# KiCad board Decent400.kicad_pcb
title: Decent400 keyboard; date: 2023-12-30; rev: 2; company: Decent Consuting
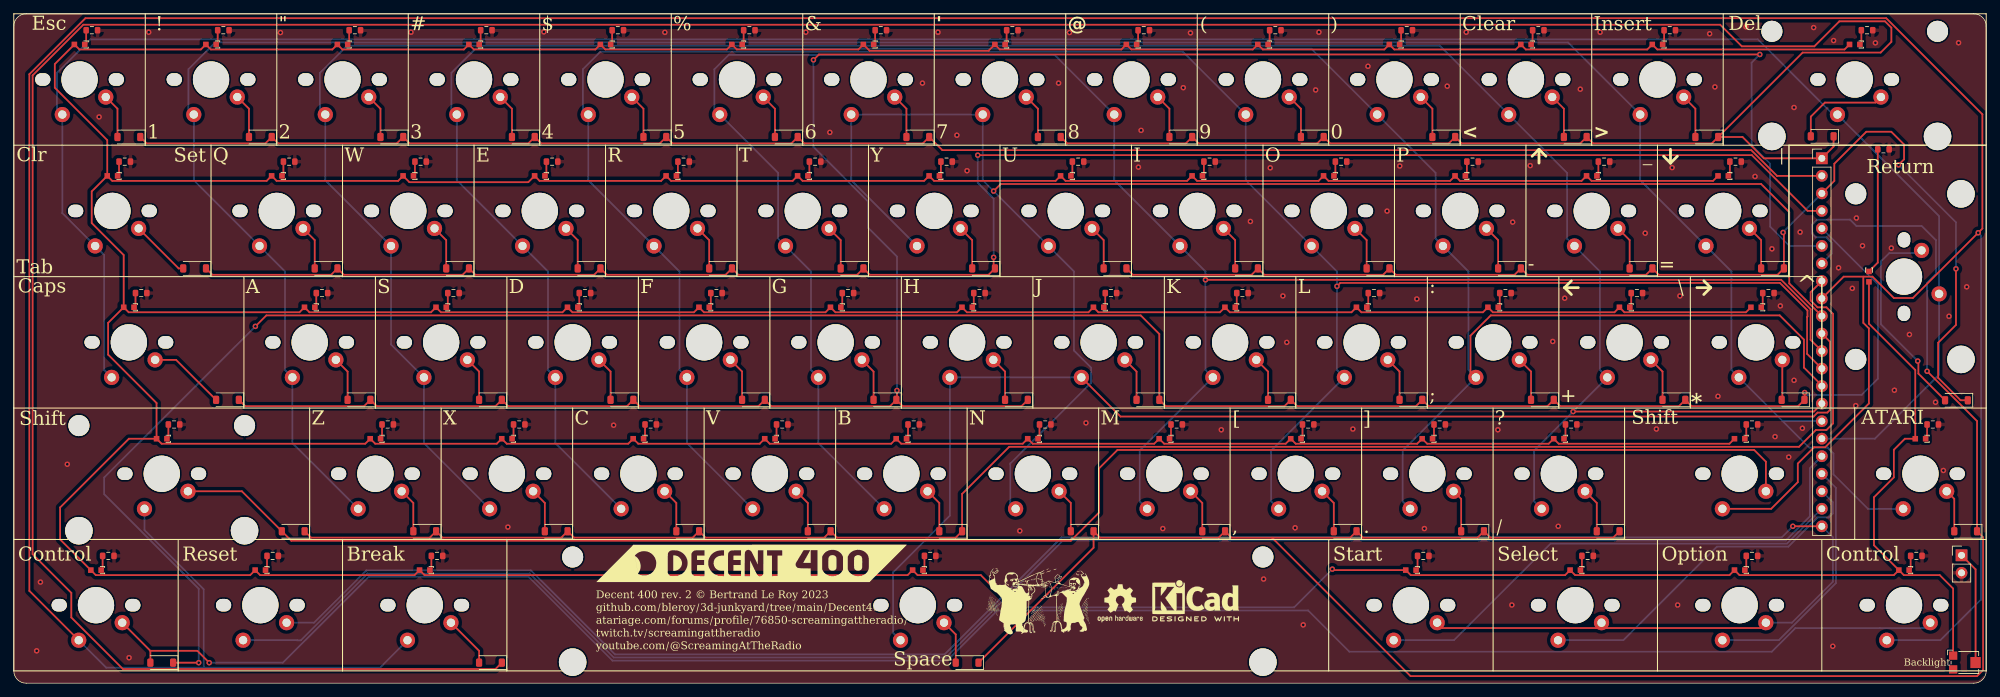
[diagram p0: board, top side]
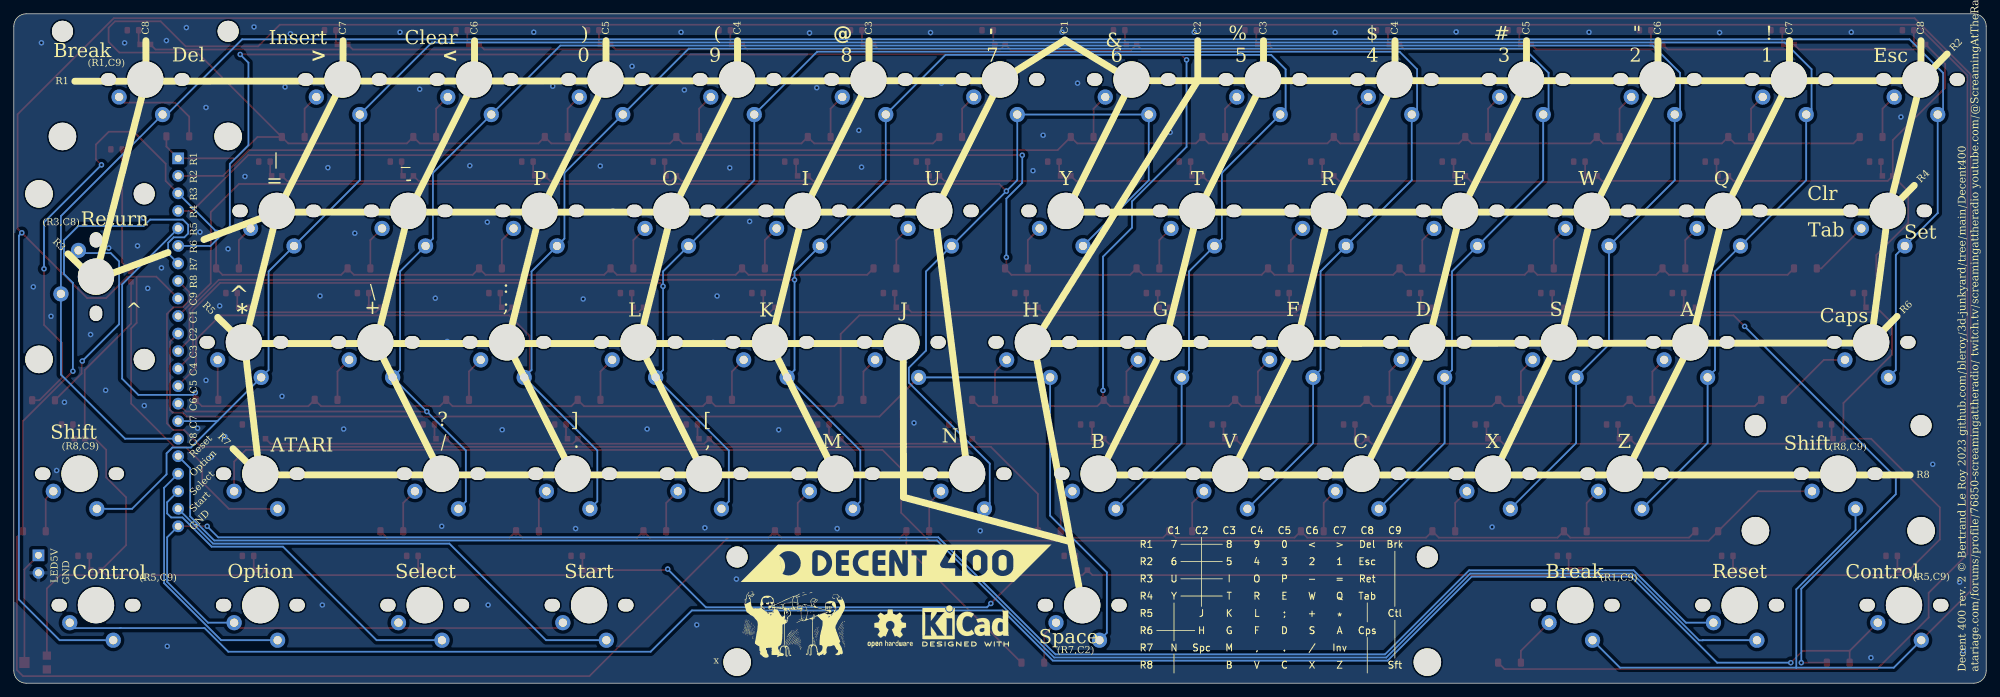
[diagram p1: board, bottom side, seen from below]

Outline 285.75 x 97.04 mm; copper layers: Top, Bottom. Coordinates in mm from the lower left corner of the outline.
Outline path: 0,95.25 arc(0.52,96.51) 1.79,97.04 283.96,97.04 arc(285.23,96.51) 285.75,95.25 285.75,1.79 arc(285.23,0.52) 283.96,0 1.79,0 arc(0.52,0.52) 0,1.79 0,95.25

## Placement (name value [footprint] x y rotation side)
D1  1N4148W  [D_SOD-123]  69.06 2.98 180 top
D2  1N4148W  [D_SOD-123]  21.43 2.98 180 top
D3  1N4148W  [D_SOD-123]  40.48 22.03 180 top
D4  1N4148W  [D_SOD-123]  150.02 79.18 180 top
D5  1N4148W  [D_SOD-123]  130.97 79.18 180 top
D6  1N4148W  [D_SOD-123]  159.54 60.13 180 top
D7  1N4148W  [D_SOD-123]  140.49 60.13 180 top
D8  1N4148W  [D_SOD-123]  154.78 22.03 180 top
D9  1N4148W  [D_SOD-123]  164.31 41.08 180 top
D10  1N4148W  [D_SOD-123]  145.26 41.08 180 top
D11  1N4148W  [D_SOD-123]  138.11 2.98 180 top
D12  1N4148W  [D_SOD-123]  169.07 79.18 180 top
D13  1N4148W  [D_SOD-123]  111.92 79.18 180 top
D14  1N4148W  [D_SOD-123]  178.59 60.13 180 top
D15  1N4148W  [D_SOD-123]  121.44 60.13 180 top
D16  1N4148W  [D_SOD-123]  183.36 41.08 180 top
D17  1N4148W  [D_SOD-123]  126.21 41.08 180 top
D18  1N4148W  [D_SOD-123]  173.83 22.03 180 top
D19  1N4148W  [D_SOD-123]  135.73 22.03 180 top
D20  1N4148W  [D_SOD-123]  188.12 79.18 180 top
D21  1N4148W  [D_SOD-123]  92.87 79.18 180 top
D22  1N4148W  [D_SOD-123]  197.64 60.13 180 top
D23  1N4148W  [D_SOD-123]  102.39 60.13 180 top
D24  1N4148W  [D_SOD-123]  202.41 41.08 180 top
D25  1N4148W  [D_SOD-123]  107.16 41.08 180 top
D26  1N4148W  [D_SOD-123]  192.88 22.03 180 top
D27  1N4148W  [D_SOD-123]  116.68 22.03 180 top
D28  1N4148W  [D_SOD-123]  207.17 79.18 180 top
D29  1N4148W  [D_SOD-123]  73.82 79.18 180 top
D30  1N4148W  [D_SOD-123]  216.69 60.13 180 top
D31  1N4148W  [D_SOD-123]  83.34 60.13 180 top
D32  1N4148W  [D_SOD-123]  221.46 41.08 180 top
D33  1N4148W  [D_SOD-123]  88.11 41.08 180 top
D34  1N4148W  [D_SOD-123]  211.34 22.03 180 top
D35  1N4148W  [D_SOD-123]  97.63 22.03 180 top
D36  1N4148W  [D_SOD-123]  226.22 79.18 180 top
D37  1N4148W  [D_SOD-123]  54.77 79.18 180 top
D38  1N4148W  [D_SOD-123]  235.74 60.13 180 top
D39  1N4148W  [D_SOD-123]  64.29 60.13 180 top
D40  1N4148W  [D_SOD-123]  240.51 41.08 180 top
D41  1N4148W  [D_SOD-123]  69.06 41.08 180 top
D42  1N4148W  [D_SOD-123]  230.98 22.03 180 top
D43  1N4148W  [D_SOD-123]  78.58 22.03 180 top
D44  1N4148W  [D_SOD-123]  245.27 79.18 180 top
D45  1N4148W  [D_SOD-123]  35.72 79.18 180 top
D46  1N4148W  [D_SOD-123]  254.79 60.13 180 top
D47  1N4148W  [D_SOD-123]  45.24 60.13 180 top
D48  1N4148W  [D_SOD-123]  257.77 41.08 180 top
D49  1N4148W  [D_SOD-123]  50.01 41.08 180 top
D50  1N4148W  [D_SOD-123]  282.77 22.03 180 top
D51  1N4148W  [D_SOD-123]  59.53 22.03 180 top
D52  1N4148W  [D_SOD-123]  261.99 79.28 180 top
D53  1N4148W  [D_SOD-123]  16.67 79.18 180 top
D54  1N4148W  [D_SOD-123]  281.44 41.02 180 top
D55  1N4148W  [D_SOD-123]  26.19 60.13 180 top
D56  1N4148W  [D_SOD-123]  30.96 41.08 180 top
G***  -  [LOGO]  106.9 17.39 0 top
G***#2  -  [LOGO]  148.34 11.88 0 top
G***#3  -  [LOGO]  157.92 17.4 180 bottom
G***#4  -  [LOGO]  172.79 8.49 180 bottom
J1  Conn_01x22  [PinHeader_1x22_P2.54mm_Vertical]  261.94 76.09 0 top
J2  Conn_01x02_Pin  [PinHeader_1x02_P2.54mm_Vertical]  282.18 18.54 0 top
R1  100  [R_0603_1608Metric]  61.32 18.45 0 top
R2  100  [R_0603_1608Metric]  13.69 18.45 0 top
R3  100  [R_0603_1608Metric]  275.63 18.45 0 top
R4  100  [R_0603_1608Metric]  23.22 37.5 0 top
R5  100  [R_0603_1608Metric]  251.82 37.5 0 top
R6  100  [R_0603_1608Metric]  144.66 94.65 0 top
R7  100  [R_0603_1608Metric]  125.61 94.65 0 top
R8  100  [R_0603_1608Metric]  154.19 75.6 0 top
R9  100  [R_0603_1608Metric]  135.14 75.6 0 top
R10  100  [R_0603_1608Metric]  149.42 37.5 0 top
R11  100  [R_0603_1608Metric]  158.95 56.55 0 top
R12  100  [R_0603_1608Metric]  139.9 56.55 0 top
R13  100  [R_0603_1608Metric]  132.75 18.45 0 top
R14  100  [R_0603_1608Metric]  163.71 94.65 0 top
R15  100  [R_0603_1608Metric]  106.56 94.65 0 top
R16  100  [R_0603_1608Metric]  173.24 75.6 0 top
R17  100  [R_0603_1608Metric]  116.09 75.6 0 top
R18  100  [R_0603_1608Metric]  178 56.55 0 top
R19  100  [R_0603_1608Metric]  120.85 56.55 0 top
R20  100  [R_0603_1608Metric]  168.47 37.5 0 top
R21  100  [R_0603_1608Metric]  130.37 37.5 0 top
R22  100  [R_0603_1608Metric]  182.76 94.65 0 top
R23  100  [R_0603_1608Metric]  87.51 94.65 0 top
R24  100  [R_0603_1608Metric]  192.29 75.6 0 top
R25  100  [R_0603_1608Metric]  97.04 75.6 0 top
R26  100  [R_0603_1608Metric]  197.05 56.55 0 top
R27  100  [R_0603_1608Metric]  101.8 56.55 0 top
R28  100  [R_0603_1608Metric]  187.52 37.5 0 top
R29  100  [R_0603_1608Metric]  111.32 37.5 0 top
R30  100  [R_0603_1608Metric]  201.81 94.65 0 top
R31  100  [R_0603_1608Metric]  68.46 94.65 0 top
R32  100  [R_0603_1608Metric]  211.34 75.6 0 top
R33  100  [R_0603_1608Metric]  77.99 75.6 0 top
R34  100  [R_0603_1608Metric]  216.1 56.55 0 top
R35  100  [R_0603_1608Metric]  82.75 56.55 0 top
R36  100  [R_0603_1608Metric]  206.57 37.5 0 top
R37  100  [R_0603_1608Metric]  92.27 37.5 0 top
R38  100  [R_0603_1608Metric]  220.86 94.65 0 top
R39  100  [R_0603_1608Metric]  49.41 94.65 0 top
R40  100  [R_0603_1608Metric]  230.39 75.6 0 top
R41  100  [R_0603_1608Metric]  58.94 75.6 0 top
R42  100  [R_0603_1608Metric]  235.15 56.55 0 top
R43  100  [R_0603_1608Metric]  63.7 56.55 0 top
R44  100  [R_0603_1608Metric]  225.62 37.5 0 top
R45  100  [R_0603_1608Metric]  73.22 37.5 0 top
R46  100  [R_0603_1608Metric]  239.91 94.65 0 top
R47  100  [R_0603_1608Metric]  30.36 94.65 0 top
R48  100  [R_0603_1608Metric]  249.44 75.6 0 top
R49  100  [R_0603_1608Metric]  39.89 75.6 0 top
R50  100  [R_0603_1608Metric]  254.2 56.55 0 top
R51  100  [R_0603_1608Metric]  44.65 56.55 0 top
R52  100  [R_0603_1608Metric]  278.01 37.5 0 top
R53  100  [R_0603_1608Metric]  54.17 37.5 0 top
R54  100  [R_0603_1608Metric]  268.49 94.65 0 top
R55  100  [R_0603_1608Metric]  11.31 94.65 0 top
R56  100  [R_0603_1608Metric]  270.87 77.39 0 top
R57  100  [R_0603_1608Metric]  16.07 75.6 0 top
R58  100  [R_0603_1608Metric]  18.45 56.55 0 top
R61  100  [R_0603_1608Metric]  204.19 18.45 0 top
R62  100  [R_0603_1608Metric]  228 18.45 0 top
R63  100  [R_0603_1608Metric]  251.82 18.45 0 top
R64  100  [R_0603_1608Metric]  37.5 18.45 0 top
REF**  -  [Arrow]  225.66 57.34 180 top
REF**#2  -  [Arrow]  244.84 57.34 0 top
REF**#3  -  [Arrow]  240.01 76.39 270 top
REF**#4  -  [OSHW-Logo2_7.3x6mm_SilkScreen]  160.29 11.59 0 top
REF**#5  -  [Arrow]  220.96 76.39 90 top
REF**#6  -  [KiCad-Logo2_5mm_SilkScreen]  171.21 11.97 0 top
REF**#7  -  [OSHW-Logo2_7.3x6mm_SilkScreen]  158.78 7.94 180 bottom
REF**#8  -  [Atari400_Matrix]  103.45 11.64 180 bottom
REF**#9  -  [KiCad-Logo2_5mm_SilkScreen]  147.86 8.32 180 bottom
RV1  R_Potentiometer  [Potentiometer_Bourns_TC33X_Vertical]  282.76 3 0 top
SW0  0  [MX-1-00U-LED]  200.02 92.59 0 top
SW1  1  [MX-1-00U-LED]  28.57 92.59 0 top
SW2  2  [MX-1-00U-LED]  47.62 92.59 0 top
SW3  3  [MX-1-00U-LED]  66.67 92.59 0 top
SW4  4  [MX-1-00U-LED]  85.72 92.59 0 top
SW5  5  [MX-1-00U-LED]  104.77 92.59 0 top
SW6  6  [MX-1-00U-LED]  123.82 92.59 0 top
SW7  7  [MX-1-00U-LED]  142.87 92.59 0 top
SW8  8  [MX-1-00U-LED]  161.92 92.59 0 top
SW9  9  [MX-1-00U-LED]  180.97 92.59 0 top
SWA1  A  [MX-1-00U-LED]  42.86 54.49 0 top
SWB1  B  [MX-1-00U-LED]  128.59 35.44 0 top
SWBrk1  Break  [MX-1-25U-LED]  59.53 16.39 0 top
SWC1  C  [MX-1-00U-LED]  90.49 35.44 0 top
SWComma1  Comma  [MX-1-00U-LED]  185.74 35.44 0 top
SWCps1  Caps  [MX-1-75U-LED]  16.67 54.49 0 top
SWCtl1  Control  [MX-1-25U-LED]  11.91 16.39 0 top
SWCtl2  Control  [MX-1-25U-LED]  273.84 16.39 0 top
SWD1  D  [MX-1-00U-LED]  80.96 54.49 0 top
SWDash1  Dash  [MX-1-00U-LED]  228.6 73.54 0 top
SWDel1  Del  [MX-2-00U-LED]  266.7 92.59 0 top
SWE1  E  [MX-1-00U-LED]  76.2 73.54 0 top
SWEqual1  Equal  [MX-1-00U-LED]  247.65 73.54 0 top
SWEsc1  Esc  [MX-1-00U-LED]  9.52 92.59 0 top
SWF1  F  [MX-1-00U-LED]  100.01 54.49 0 top
SWG1  G  [MX-1-00U-LED]  119.06 54.49 0 top
SWGT1  GreaterThan  [MX-1-00U-LED]  238.12 92.59 0 top
SWH1  H  [MX-1-00U-LED]  138.11 54.49 0 top
SWI1  I  [MX-1-00U-LED]  171.45 73.54 0 top
SWInv1  Atari  [MX-1-00U-LED]  276.22 35.44 0 top
SWJ1  J  [MX-1-00U-LED]  157.16 54.49 0 top
SWK1  K  [MX-1-00U-LED]  176.21 54.49 0 top
SWL1  L  [MX-1-00U-LED]  195.26 54.49 0 top
SWLeftSft1  Shift  [MX-2-25U-LED]  21.43 35.44 0 top
SWLT1  LessThan  [MX-1-00U-LED]  219.07 92.59 0 top
SWM1  M  [MX-1-00U-LED]  166.69 35.44 0 top
SWN1  N  [MX-1-00U-LED]  147.64 35.44 0 top
SWO1  O  [MX-1-00U-LED]  190.5 73.54 0 top
SWOption1  Option  [MX-1-25U-LED]  250.03 16.39 0 top
SWP1  P  [MX-1-00U-LED]  209.55 73.54 0 top
SWPeriod1  Period  [MX-1-00U-LED]  204.79 35.44 0 top
SWPlus1  Plus  [MX-1-00U-LED]  233.36 54.49 0 top
SWQ1  Q  [MX-1-00U-LED]  38.1 73.54 0 top
SWR1  R  [MX-1-00U-LED]  95.25 73.54 0 top
SWReset1  Reset  [MX-1-25U-LED]  35.72 16.39 0 top
SWRet1  Return  [MX-ISO-RETURN]  268.76 58.94 0 top
SWRightSft1  Shift  [MX-1-75U-LED]  250.03 35.44 0 top
SWS1  S  [MX-1-00U-LED]  61.91 54.49 0 top
SWSelect1  Select  [MX-1-25U-LED]  226.22 16.39 0 top
SWSemi1  Semicolon  [MX-1-00U-LED]  214.31 54.49 0 top
SWSlash1  Slash  [MX-1-00U-LED]  223.84 35.44 0 top
SWSpc1  Space  [MX-6-25U-LED]  130.96 16.39 0 top
SWStar1  Star  [MX-1-00U-LED]  252.41 54.49 0 top
SWStart1  Start  [MX-1-25U-LED]  202.41 16.39 0 top
SWT1  T  [MX-1-00U-LED]  114.3 73.54 0 top
SWTab1  Tab  [MX-1-50U-LED]  14.29 73.54 0 top
SWU1  U  [MX-1-00U-LED]  152.4 73.54 0 top
SWV1  V  [MX-1-00U-LED]  109.54 35.44 0 top
SWW1  W  [MX-1-00U-LED]  57.15 73.54 0 top
SWX1  X  [MX-1-00U-LED]  71.44 35.44 0 top
SWY1  Y  [MX-1-00U-LED]  133.35 73.54 0 top
SWZ1  Z  [MX-1-00U-LED]  52.39 35.44 0 top

## Library data of the parts
D1-D56 = -: Description: 75V 0.15A Fast Switching Diode, SOD-123; JLCPCB Part #: C81598
J1 = -: Description: Generic connector, single row, 01x22, script generated (kicad-library-utils/schlib/autogen/connector/)
J2 = -: Description: Generic connector, single row, 01x02, script generated
R1-R58 R61-R64 = -: Description: Resistor; JLCPCB Part #: C22775
RV1 = -: Description: Potentiometer; JLCPCB Part #: C720647; JLCPCB Rotation Offset: 180; Field6: Wiper may be / anywhere within / circle shown
SW0-SW9 SWA1 SWB1 SWBrk1 SWC1 SWComma1 SWCps1 SWCtl1 SWCtl2 SWD1 SWDash1 SWDel1 SWE1 SWEqual1 SWEsc1 SWF1 SWG1 SWGT1 SWH1 SWI1 SWInv1 SWJ1 SWK1 SWL1 SWLeftSft1 SWLT1 SWM1 SWN1 SWO1 SWOption1 SWP1 SWPeriod1 SWPlus1 SWQ1 SWR1 SWReset1 SWRet1 SWRightSft1 SWS1 SWSelect1 SWSemi1 SWSlash1 SWSpc1 SWStar1 SWStart1 SWT1 SWTab1 SWU1 SWV1 SWW1 SWX1 SWY1 SWZ1 = -: JLCPCB Part #: C193191; JLCPCB Rotation Offset: 180

## Footprints (pads in the part's own frame, mm; a bottom-side part is the same pattern mirrored in y, then rotated)
D_SOD-123
  rrect 0.9x1.2 smd: 1(-1.65,0) 2(1.65,0)
MX-1-00U-LED
  oval 2.2x1.8 hole 2.2x1.8 unplated: (-5.33,-5.08) (5.33,-5.08)
  round 5.25 hole 5.25 unplated: (0,-5.08)
  round 2.2 hole 1.2: 1(-2.5,-10.16) 2(3.8,-7.62)
  rect 0.8x0.8 smd: 3(0.75,0) 4(-0.75,0)
MX-1-25U-LED
  oval 2.2x1.8 hole 2.2x1.8 unplated: (-5.33,-5.08) (5.33,-5.08)
  round 5.25 hole 5.25 unplated: (0,-5.08)
  round 2.2 hole 1.2: 1(-2.5,-10.16) 2(3.8,-7.62)
  rect 0.8x0.8 smd: 3(0.75,0) 4(-0.75,0)
MX-1-50U-LED
  oval 2.2x1.8 hole 2.2x1.8 unplated: (-5.33,-5.08) (5.33,-5.08)
  round 5.25 hole 5.25 unplated: (0,-5.08)
  round 2.2 hole 1.2: 1(-2.5,-10.16) 2(3.8,-7.62)
  rect 0.8x0.8 smd: 3(0.75,0) 4(-0.75,0)
MX-1-75U-LED
  oval 2.2x1.8 hole 2.2x1.8 unplated: (-5.33,-5.08) (5.33,-5.08)
  round 5.25 hole 5.25 unplated: (0,-5.08)
  round 2.2 hole 1.2: 1(-2.5,-10.16) 2(3.8,-7.62)
  rect 0.8x0.8 smd: 3(0.75,0) 4(-0.75,0)
MX-2-00U-LED
  round 3.048 hole 3.048 unplated: (-12,1.905) (12,1.905)
  round 3.988 hole 3.988 unplated: (-12,-13.335) (12,-13.335)
  oval 2.2x1.8 hole 2.2x1.8 unplated: (-5.33,-5.08) (5.33,-5.08)
  round 5.25 hole 5.25 unplated: (0,-5.08)
  round 2.2 hole 1.2: 1(-2.5,-10.16) 2(3.8,-7.62)
  rect 0.8x0.8 smd: 3(0.75,0) 4(-0.75,0)
MX-2-25U-LED
  round 3.048 hole 3.048 unplated: (-12,1.905) (12,1.905)
  round 3.988 hole 3.988 unplated: (-12,-13.335) (12,-13.335)
  oval 2.2x1.8 hole 2.2x1.8 unplated: (-5.33,-5.08) (5.33,-5.08)
  round 5.25 hole 5.25 unplated: (0,-5.08)
  round 2.2 hole 1.2: 1(-2.5,-10.16) 2(3.8,-7.62)
  rect 0.8x0.8 smd: 3(0.75,0) 4(-0.75,0)
MX-6-25U-LED
  round 3.048 hole 3.048 unplated: (-50,1.905) (50,1.905)
  round 3.988 hole 3.988 unplated: (-50,-13.335) (50,-13.335)
  oval 2.2x1.8 hole 2.2x1.8 unplated: (-5.33,-5.08) (5.33,-5.08)
  round 5.25 hole 5.25 unplated: (0,-5.08)
  round 2.2 hole 1.2: 1(-2.5,-10.16) 2(3.8,-7.62)
  rect 0.8x0.8 smd: 3(0.75,0) 4(-0.75,0)
MX-ISO-RETURN
  round 3.048 hole 3.048 unplated: (-1.905,12) (-1.905,-12)
  oval 1.8x2.2 hole 1.8x2.2 unplated: (5.08,5.33) (5.08,-5.33)
  round 5.25 hole 5.25 unplated: (5.08,0)
  round 3.988 hole 3.988 unplated: (13.335,12) (13.335,-12)
  round 2.2 hole 1.2: 1(10.16,-2.5) 2(7.62,3.8)
  rect 0.8x0.8 smd: 3(0,0.75) 4(0,-0.75)
PinHeader_1x02_P2.54mm_Vertical
  rect 1.7x1.7 hole 1: 1(0,0)
  oval 1.7x1.7 hole 1: 2(0,-2.54)
PinHeader_1x22_P2.54mm_Vertical
  rect 1.7x1.7 hole 1: 1(0,0)
  oval 1.7x1.7 hole 1: 2(0,-2.54) 3(0,-5.08) 4(0,-7.62) 5(0,-10.16) 6(0,-12.7) 7(0,-15.24) 8(0,-17.78) 9(0,-20.32) 10(0,-22.86) 11(0,-25.4) 12(0,-27.94) 13(0,-30.48) 14(0,-33.02) 15(0,-35.56) 16(0,-38.1) 17(0,-40.64) 18(0,-43.18) 19(0,-45.72) 20(0,-48.26) 21(0,-50.8) 22(0,-53.34)
Potentiometer_Bourns_TC33X_Vertical
  rect 1.2x1.2 smd: 1(-1.8,1) 3(-1.8,-1)
  rect 1.5x1.6 smd: 2(1.45,0)
R_0603_1608Metric
  rrect 0.8x0.95 smd: 1(-0.825,0) 2(0.825,0)

## Nets
5V: J2.1 RV1.2
GND: J1.22 SWOption1.2 SWReset1.2 SWSelect1.2 SWStart1.2
VCC_LED: RV1.1 SW0.4 SW1.4 SW2.4 SW3.4 SW4.4 SW5.4 SW6.4 SW7.4 SW8.4 SW9.4 SWA1.4 SWB1.4 SWBrk1.4 SWC1.4 SWComma1.4 SWCps1.4 SWCtl1.4 SWCtl2.4 SWD1.4 SWDash1.4 SWDel1.4 SWE1.4 SWEqual1.4 SWEsc1.4 SWF1.4 SWG1.4 SWGT1.4 SWH1.4 SWI1.4 SWInv1.4 SWJ1.4 SWK1.4 SWL1.4 SWLeftSft1.4 SWLT1.4 SWM1.4 SWN1.4 SWO1.4 SWOption1.4 SWP1.4 SWPeriod1.4 SWPlus1.4 SWQ1.4 SWR1.4 SWReset1.4 SWRet1.4 SWRightSft1.4 SWS1.4 SWSelect1.4 SWSemi1.4 SWSlash1.4 SWSpc1.4 SWStar1.4 SWStart1.4 SWT1.4 SWTab1.4 SWU1.4 SWV1.4 SWW1.4 SWX1.4 SWY1.4 SWZ1.4
COL_1: J1.10 SW6.1 SW7.1 SWN1.1 SWU1.1 SWY1.1
COL_2: J1.11 SWH1.1 SWJ1.1 SWSpc1.1
COL_3: J1.12 SW5.1 SW8.1 SWB1.1 SWG1.1 SWI1.1 SWK1.1 SWM1.1 SWT1.1
COL_4: J1.13 SW4.1 SW9.1 SWComma1.1 SWF1.1 SWL1.1 SWO1.1 SWR1.1 SWV1.1
COL_5: J1.14 SW0.1 SW3.1 SWC1.1 SWD1.1 SWE1.1 SWP1.1 SWPeriod1.1 SWSemi1.1
COL_6: J1.15 SW2.1 SWDash1.1 SWLT1.1 SWPlus1.1 SWS1.1 SWSlash1.1 SWW1.1 SWX1.1
COL_7: J1.16 SW1.1 SWA1.1 SWEqual1.1 SWGT1.1 SWInv1.1 SWQ1.1 SWStar1.1 SWZ1.1
COL_8: J1.17 SWCps1.1 SWDel1.1 SWEsc1.1 SWRet1.1 SWTab1.1
COL_9: J1.9 SWBrk1.1 SWCtl1.1 SWCtl2.1 SWLeftSft1.1 SWRightSft1.1
LED_GND: J2.2 R1.2 R2.2 R3.2 R4.2 R5.2 R6.2 R7.2 R8.2 R9.2 R10.2 R11.2 R12.2 R13.2 R14.2 R15.2 R16.2 R17.2 R18.2 R19.2 R20.2 R21.2 R22.2 R23.2 R24.2 R25.2 R26.2 R27.2 R28.2 R29.2 R30.2 R31.2 R32.2 R33.2 R34.2 R35.2 R36.2 R37.2 R38.2 R39.2 R40.2 R41.2 R42.2 R43.2 R44.2 R45.2 R46.2 R47.2 R48.2 R49.2 R50.2 R51.2 R52.2 R53.2 R54.2 R55.2 R56.2 R57.2 R58.2 R61.2 R62.2 R63.2 R64.2
OPTION: J1.19 SWOption1.1
RESET: J1.18 SWReset1.1
ROW_1: D1.1 D4.1 D12.1 D20.1 D28.1 D36.1 D44.1 D52.1 J1.1
ROW_2: D5.1 D13.1 D21.1 D29.1 D37.1 D45.1 D53.1 J1.2
ROW_3: D6.1 D14.1 D22.1 D30.1 D38.1 D46.1 D54.1 J1.3
ROW_4: D7.1 D15.1 D23.1 D31.1 D39.1 D47.1 D55.1 J1.4
ROW_5: D2.1 D9.1 D16.1 D24.1 D32.1 D40.1 D48.1 J1.5
ROW_6: D10.1 D17.1 D25.1 D33.1 D41.1 D49.1 D56.1 J1.6
ROW_7: D8.1 D11.1 D18.1 D26.1 D34.1 D42.1 D50.1 J1.7
ROW_8: D3.1 D19.1 D27.1 D35.1 D43.1 D51.1 J1.8
SELECT: J1.20 SWSelect1.1
START: J1.21 SWStart1.1
Net-(D1-A): D1.2 SWBrk1.2
Net-(D2-A): D2.2 SWCtl1.2 SWCtl2.2
Net-(D3-A): D3.2 SWLeftSft1.2 SWRightSft1.2
Net-(D4-A): D4.2 SW7.2
Net-(D5-A): D5.2 SW6.2
Net-(D6-A): D6.2 SWU1.2
Net-(D7-A): D7.2 SWY1.2
Net-(D8-A): D8.2 SWN1.2
Net-(D9-A): D9.2 SWJ1.2
Net-(D10-A): D10.2 SWH1.2
Net-(D11-A): D11.2 SWSpc1.2
Net-(D12-A): D12.2 SW8.2
Net-(D13-A): D13.2 SW5.2
Net-(D14-A): D14.2 SWI1.2
Net-(D15-A): D15.2 SWT1.2
Net-(D16-A): D16.2 SWK1.2
Net-(D17-A): D17.2 SWG1.2
Net-(D18-A): D18.2 SWM1.2
Net-(D19-A): D19.2 SWB1.2
Net-(D20-A): D20.2 SW9.2
Net-(D21-A): D21.2 SW4.2
Net-(D22-A): D22.2 SWO1.2
Net-(D23-A): D23.2 SWR1.2
Net-(D24-A): D24.2 SWL1.2
Net-(D25-A): D25.2 SWF1.2
Net-(D26-A): D26.2 SWComma1.2
Net-(D27-A): D27.2 SWV1.2
Net-(D28-A): D28.2 SW0.2
Net-(D29-A): D29.2 SW3.2
Net-(D30-A): D30.2 SWP1.2
Net-(D31-A): D31.2 SWE1.2
Net-(D32-A): D32.2 SWSemi1.2
Net-(D33-A): D33.2 SWD1.2
Net-(D34-A): D34.2 SWPeriod1.2
Net-(D35-A): D35.2 SWC1.2
Net-(D36-A): D36.2 SWLT1.2
Net-(D37-A): D37.2 SW2.2
Net-(D38-A): D38.2 SWDash1.2
Net-(D39-A): D39.2 SWW1.2
Net-(D40-A): D40.2 SWPlus1.2
Net-(D41-A): D41.2 SWS1.2
Net-(D42-A): D42.2 SWSlash1.2
Net-(D43-A): D43.2 SWX1.2
Net-(D44-A): D44.2 SWGT1.2
Net-(D45-A): D45.2 SW1.2
Net-(D46-A): D46.2 SWEqual1.2
Net-(D47-A): D47.2 SWQ1.2
Net-(D48-A): D48.2 SWStar1.2
Net-(D49-A): D49.2 SWA1.2
Net-(D50-A): D50.2 SWInv1.2
Net-(D51-A): D51.2 SWZ1.2
Net-(D52-A): D52.2 SWDel1.2
Net-(D53-A): D53.2 SWEsc1.2
Net-(D54-A): D54.2 SWRet1.2
Net-(D55-A): D55.2 SWTab1.2
Net-(D56-A): D56.2 SWCps1.2
Net-(R1-Pad1): R1.1 SWBrk1.3
Net-(R2-Pad1): R2.1 SWCtl1.3
Net-(R3-Pad1): R3.1 SWCtl2.3
Net-(R4-Pad1): R4.1 SWLeftSft1.3
Net-(R5-Pad1): R5.1 SWRightSft1.3
Net-(R6-Pad1): R6.1 SW7.3
Net-(R7-Pad1): R7.1 SW6.3
Net-(R8-Pad1): R8.1 SWU1.3
Net-(R9-Pad1): R9.1 SWY1.3
Net-(R10-Pad1): R10.1 SWN1.3
Net-(R11-Pad1): R11.1 SWJ1.3
Net-(R12-Pad1): R12.1 SWH1.3
Net-(R13-Pad1): R13.1 SWSpc1.3
Net-(R14-Pad1): R14.1 SW8.3
Net-(R15-Pad1): R15.1 SW5.3
Net-(R16-Pad1): R16.1 SWI1.3
Net-(R17-Pad1): R17.1 SWT1.3
Net-(R18-Pad1): R18.1 SWK1.3
Net-(R19-Pad1): R19.1 SWG1.3
Net-(R20-Pad1): R20.1 SWM1.3
Net-(R21-Pad1): R21.1 SWB1.3
Net-(R22-Pad1): R22.1 SW9.3
Net-(R23-Pad1): R23.1 SW4.3
Net-(R24-Pad1): R24.1 SWO1.3
Net-(R25-Pad1): R25.1 SWR1.3
Net-(R26-Pad1): R26.1 SWL1.3
Net-(R27-Pad1): R27.1 SWF1.3
Net-(R28-Pad1): R28.1 SWComma1.3
Net-(R29-Pad1): R29.1 SWV1.3
Net-(R30-Pad1): R30.1 SW0.3
Net-(R31-Pad1): R31.1 SW3.3
Net-(R32-Pad1): R32.1 SWP1.3
Net-(R33-Pad1): R33.1 SWE1.3
Net-(R34-Pad1): R34.1 SWSemi1.3
Net-(R35-Pad1): R35.1 SWD1.3
Net-(R36-Pad1): R36.1 SWPeriod1.3
Net-(R37-Pad1): R37.1 SWC1.3
Net-(R38-Pad1): R38.1 SWLT1.3
Net-(R39-Pad1): R39.1 SW2.3
Net-(R40-Pad1): R40.1 SWDash1.3
Net-(R41-Pad1): R41.1 SWW1.3
Net-(R42-Pad1): R42.1 SWPlus1.3
Net-(R43-Pad1): R43.1 SWS1.3
Net-(R44-Pad1): R44.1 SWSlash1.3
Net-(R45-Pad1): R45.1 SWX1.3
Net-(R46-Pad1): R46.1 SWGT1.3
Net-(R47-Pad1): R47.1 SW1.3
Net-(R48-Pad1): R48.1 SWEqual1.3
Net-(R49-Pad1): R49.1 SWQ1.3
Net-(R50-Pad1): R50.1 SWStar1.3
Net-(R51-Pad1): R51.1 SWA1.3
Net-(R52-Pad1): R52.1 SWInv1.3
Net-(R53-Pad1): R53.1 SWZ1.3
Net-(R54-Pad1): R54.1 SWDel1.3
Net-(R55-Pad1): R55.1 SWEsc1.3
Net-(R56-Pad1): R56.1 SWRet1.3
Net-(R57-Pad1): R57.1 SWTab1.3
Net-(R58-Pad1): R58.1 SWCps1.3
Net-(R61-Pad1): R61.1 SWStart1.3
Net-(R62-Pad1): R62.1 SWSelect1.3
Net-(R63-Pad1): R63.1 SWOption1.3
Net-(R64-Pad1): R64.1 SWReset1.3

Pads without a net: RV1 3

## Via types
v1: diameter 0.8, hole 0.4, Top to Bottom, 111 vias

## Routing (per net, layer and track width the routed paths; a pad name or vN(x,y) marks a point on that pad's centre or on a via; arc(x,y) is an arc through that point)
5V: length 16.4
  Top w0.25: RV1.2 284.21,16.51 J2.1
GND: length 308.1
  Top w0.25: 206.21,8.77 206.98,8 229.24,8 230.02,8.77 230.79,8 253.06,8 253.83,8.77 ; J1.22 257.74,22.75 v1(257.74,22.75)
  Bottom w0.25: J1.22 263.53,21.15 263.53,14.69 257.61,8.77 253.83,8.77 ; 39.52,8.77 43.5,8.77 51.08,16.36 74.92,16.36 87.1,4.18 134.84,4.18 151.81,21.14 256.13,21.14 v1(257.74,22.75)
VCC_LED: length 1419.5
  Top w0.25: SWLeftSft1.4 16.67,35.44 6.71,25.48 6.71,20.84 SWCtl1.4 11.88,15.67 34.24,15.67 SWReset1.4 35.69,15.67 58.06,15.67 SWBrk1.4 59.51,15.67 129.49,15.67 SWSpc1.4 130.94,15.67 140.09,15.67 v1(144.2,11.56) ; SWLeftSft1.4 20.68,40.61 13.67,47.63 13.67,52.24 SWCps1.4 ; SWLeftSft1.4 21.41,34.72 50.91,34.72 SWZ1.4 52.36,34.72 69.96,34.72 SWX1.4 71.41,34.72 89.01,34.72 SWC1.4 90.46,34.72 108.06,34.72 SWV1.4 109.51,34.72 127.11,34.72 SWB1.4 128.56,34.72 146.16,34.72 SWN1.4 147.61,34.72 165.21,34.72 SWM1.4 166.66,34.72 184.26,34.72 SWComma1.4 185.71,34.72 203.31,34.72 SWPeriod1.4 204.76,34.72 222.36,34.72 SWSlash1.4 223.81,34.72 248.56,34.72 SWRightSft1.4 ; SWCps1.4 15.92,62.07 11.29,66.7 11.29,71.29 SWTab1.4 ; SWCps1.4 16.64,53.77 41.39,53.77 SWA1.4 42.84,53.77 60.44,53.77 SWS1.4 61.89,53.77 79.49,53.77 SWD1.4 80.94,53.77 98.54,53.77 SWF1.4 99.99,53.77 117.59,53.77 SWG1.4 119.04,53.77 136.64,53.77 SWH1.4 138.09,53.77 155.69,53.77 SWJ1.4 157.14,53.77 174.74,53.77 SWK1.4 176.19,53.77 193.79,53.77 SWL1.4 195.24,53.77 212.84,53.77 SWSemi1.4 214.29,53.77 231.89,53.77 SWPlus1.4 233.34,53.77 250.94,53.77 SWStar1.4 ; SWCtl2.4 273.82,15.67 279.01,15.67 280.96,13.72 RV1.1 ; SWCtl2.4 269.49,20 269.49,26.95 272.37,29.83 272.37,33.84 273.97,35.44 SWInv1.4 275.47,45.4 268.76,52.11 SWRet1.4 ; SWCtl2.4 272.37,15.67 250.01,15.67 SWOption1.4 248.56,15.67 226.19,15.67 SWSelect1.4 224.74,15.67 202.38,15.67 SWStart1.4 191.16,16.39 v1(191.02,16.54) ; SWTab1.4 14.26,72.82 36.62,72.82 SWQ1.4 38.07,72.82 55.67,72.82 SWW1.4 57.31,72.63 74.54,72.63 SWE1.4 76.17,72.82 93.77,72.82 SWR1.4 95.22,72.82 112.82,72.82 SWT1.4 114.27,72.82 131.87,72.82 SWY1.4 133.32,72.82 150.92,72.82 SWU1.4 152.37,72.82 169.97,72.82 SWI1.4 171.42,72.82 189.02,72.82 SWO1.4 190.47,72.82 208.07,72.82 SWP1.4 209.52,72.82 227.12,72.82 SWDash1.4 228.57,72.82 246.17,72.82 SWEqual1.4 ; SWTab1.4 13.54,78.72 5.94,86.32 5.94,89.75 SWEsc1.4 9.5,91.87 27.1,91.87 SW1.4 28.55,91.87 46.15,91.87 SW2.4 47.6,91.87 65.2,91.87 SW3.4 66.65,91.87 84.25,91.87 SW4.4 85.7,91.87 103.3,91.87 SW5.4 104.75,91.87 122.35,91.87 SW6.4 123.99,91.68 141.21,91.68 SW7.4 142.85,91.87 160.45,91.87 SW8.4 161.9,91.87 179.5,91.87 SW9.4 180.95,91.87 198.55,91.87 SW0.4 200,91.87 217.6,91.87 SWLT1.4 219.05,91.87 236.65,91.87 SWGT1.4 238.1,91.87 265.22,91.87 SWDel1.4
  Bottom w0.25: v1(144.2,11.56) 144.76,11 185.48,11 v1(191.02,16.54)
COL_1: length 245.3
  Top w0.25: v1(141.95,71.33) 142.98,72.37 253.14,72.37 257.22,68.29 257.22,57.94 J1.10
  Bottom w0.25: SWY1.1 121.32,72.91 SW6.1 SW7.1 140.37,72.91 v1(141.95,71.33) SWU1.1 153.59,59.69 153.59,48.22 156.09,45.72 156.09,43.57 144.36,31.85 144.36,26.06 145.14,25.28
COL_2: length 183.8
  Top w0.25: SWJ1.1 160.34,38.65 260.74,38.65 261.32,39.23 262.73,39.23 263.11,39.61 263.11,49.51 J1.11
  Bottom w0.25: SWSpc1.1 127.4,7.3 127.4,16.07 135.61,24.29 SWH1.1 SWJ1.1
COL_3: length 300.4
  Top w0.25: J1.12 260.31,49.77 260.31,54.22 256.05,58.48 v1(172.64,58.48)
  Bottom w0.25: 164.19,25.28 163.12,26.35 163.12,33.73 SWK1.1 172.64,45.4 172.64,59.69 SWI1.1 159.42,72.91 SW8.1 150.77,91.08 103.58,91.08 101.5,89 101.5,83.21 SW5.1 110.73,73.98 110.73,64.45 SWT1.1 115.49,59.69 115.49,45.4 SWG1.1 116.56,34.81 126.09,25.28
COL_4: length 322
  Top w0.25: J1.13 259.8,47.74 259.8,53.09 259.86,53.15 259.86,54.03 255.86,58.03 192.18,58.03 v1(191.69,57.54)
  Bottom w0.25: 107.04,25.28 97.51,34.81 SWF1.1 96.44,45.4 96.44,59.69 SWR1.1 83.22,72.91 SW4.1 82.45,83.21 82.45,89 84.98,91.53 169.37,91.53 SW9.1 178.47,72.91 SWO1.1 191.69,59.69 v1(191.69,57.54) 191.69,45.4 SWL1.1 182.17,33.73 182.17,26.35 183.24,25.28
COL_5: length 345.9
  Top w0.25: 261.94,43.16 259.35,45.75 259.35,49.81 255.84,53.32 213.97,53.32 211.04,50.38 211.04,45.11 SWSemi1.1
  Bottom w0.25: 202.29,25.28 201.22,26.35 201.22,33.73 SWSemi1.1 210.74,45.4 210.74,59.69 SWP1.1 205.98,64.45 205.98,73.98 SW0.1 187.97,91.98 66.9,91.98 63.4,88.48 63.4,83.21 SW3.1 64.17,72.91 SWE1.1 77.39,59.69 77.39,45.4 SWD1.1 78.46,34.81 87.99,25.28
COL_6: length 355.8
  Top w0.25: J1.15 260.79,39.38 v1(225.91,39.38)
  Bottom w0.25: 221.34,25.28 220.27,26.35 220.27,33.73 v1(225.91,39.38) SWPlus1.1 229.79,45.4 229.79,59.69 SWDash1.1 225.03,64.45 225.03,73.98 SWLT1.1 206.57,92.43 48.3,92.43 44.35,88.48 44.35,83.21 SW2.1 45.12,72.91 SWW1.1 54.65,49.09 SWS1.1 59.41,34.81 68.94,25.28
COL_7: length 373.3
  Bottom w0.25: 256.26,37.99 260.08,34.17 262.77,34.17 263.62,33.32 263.62,30.28 268.61,25.28 273.72,25.28 ; 256.26,37.99 SWStar1.1 248.84,45.4 248.84,59.69 SWEqual1.1 235.62,72.91 SWGT1.1 225.17,92.88 29.18,92.88 25.3,89 25.3,83.21 SW1.1 26.07,72.91 SWQ1.1 39.29,59.69 39.29,45.4 SWA1.1 40.36,34.81 49.89,25.28 ; 256.26,37.99 J1.16
COL_8: length 375.9
  Bottom w0.25: SWDel1.1 278.92,67.71 SWRet1.1 278.92,44.74 269.63,35.45 J1.17 ; 263.57,82.43 252.67,93.33 11.1,93.33 6.25,88.48 6.25,83.21 SWEsc1.1 7.02,68.14 SWTab1.1 13.1,62.07 13.1,45.4 SWCps1.1
COL_9: length 618.5
  Top w0.25: SWCtl1.1 2.25,13.39 2.25,88.27 10.37,96.4 271.27,96.4 285.2,82.47 285.2,65.91 v1(284.59,65.3) 275.13,55.84 272.37,55.84 269.27,58.94 265.11,58.94 J1.9 ; 267.95,58.94 267.95,52.24 268.76,51.43 268.76,40.54 262.42,34.21 260.82,34.21 258.45,31.84 258.45,29.14 254.59,25.28 247.53,25.28
  Bottom w0.25: SWCtl2.1 279.1,6.23 285.01,12.14 285.01,64.88 v1(284.59,65.3) ; 27.51,2.25 13.39,2.25 SWCtl1.1 ; 27.51,2.25 53.05,2.25 SWBrk1.1 ; 27.51,2.25 27.51,2.26 27.51,13.6 18.93,22.19 18.93,25.28
LED_GND:
  vias: v1(3.31,4.7) v1(3.86,14.66) v1(7.75,31.74) v1(12.36,82.09) v1(16.7,3.7) v1(19.54,94.37) v1(38.63,94.32) v1(57.54,94.37) v1(71.58,22.64) v1(76.79,94.42) v1(86.9,37.4) v1(94.32,94.35) v1(114.74,94.37) v1(118.22,79.85) v1(131.64,86.99) v1(133.89,94.37) v1(136.63,79.44) v1(138.1,74.29) v1(145.74,22.09) v1(151.36,86.99) v1(152.94,94.32) v1(155.33,37.74) v1(162.93,74.81) v1(163.32,80.14) v1(166.46,22.42) v1(169.43,86.33) v1(170.47,94.27) v1(174.94,36.74) v1(179.15,66.94) v1(181.06,15.1) v1(182.03,74.71) v1(183.86,56.14) v1(184.42,49.41) v1(185.63,22.53) v1(186.81,8.46) v1(188.6,86) v1(189.08,94.37) v1(194,36.85) v1(196.18,89.43) v1(198.95,68.44) v1(200.79,74.98) v1(203.26,55.7) v1(204.36,22.42) v1(207.67,86.55) v1(210.42,94.37) v1(215,36.74) v1(217.03,11.34) v1(217.15,66.84) v1(219.69,75.03) v1(222.95,49.54) v1(223.75,22.75) v1(224.68,55.81) v1(226.95,86.11) v1(229.81,94.37) v1(236.35,65.24) v1(237.97,36.85) v1(240.25,74.74) v1(241.05,11.34) v1(241.38,56.14) v1(245.68,94.15) v1(246.45,86.44) v1(246.89,41.59) v1(250.95,95.14) v1(252.26,73.46) v1(254.71,62.97) v1(255.16,35.75) v1(255.93,54.7) v1(257.14,32.78) v1(257.91,83.46) v1(257.91,43.91) v1(258.79,65.39) v1(259.12,36.96) v1(260.75,95.04) v1(263.52,5.36) v1(263.64,93.16) v1(264.36,60.22) v1(266.35,57.24) v1(266.85,40.24) v1(266.95,67.44) v1(267.83,63.41) v1(269.7,92.83) v1(272.01,63.08) v1(272.45,42.47) v1(274.63,50.55) v1(278.41,40.73) v1(279.55,30.84) v1(280.36,53.19) v1(281.75,92.84) v1(282.92,57.46)
OPTION: length 36.6
  Bottom w0.25: SWOption1.1 255.71,6.23 263.98,14.5 263.98,28.32 J1.19
RESET: length 254
  Bottom w0.25: J1.18 260.2,31.17 260.2,24.19 256.71,20.69 151.99,20.69 135.03,3.73 86.91,3.73 74.74,15.9 51.26,15.9 41.58,6.22 41.05,6.22 41.03,6.23 SWReset1.1
ROW_1: length 574.4
  Top w0.25: D44.1 250.45,79.18 253.54,76.09 J1.1 263.64,77.79 D52.1 ; D44.1 245.99,78.25 228.79,78.25 D36.1 226.94,78.25 209.74,78.25 D28.1 207.89,78.25 190.69,78.25 D20.1 188.84,78.25 171.64,78.25 D12.1 169.79,78.25 152.59,78.25 D4.1 ; D44.1 259.16,91.42 270.46,91.42 272.01,92.97 272.01,95.02 271.08,95.95 264.48,95.95 260.85,92.32 250.35,92.32 247.21,95.45 10.07,95.45 2.72,88.11 2.72,18.71 8.33,13.1 8.33,9.53 15.81,2.05 69.78,2.05 D1.1
ROW_2: length 250.6
  Top w0.25: D53.1 19.24,78.25 36.44,78.25 D45.1 38.29,78.25 55.49,78.25 D37.1 57.34,78.25 74.54,78.25 D29.1 76.39,78.25 93.59,78.25 D21.1 95.44,78.25 112.64,78.25 D13.1 114.49,78.25 131.69,78.25 D5.1 134.53,77.27 251.72,77.27 255.43,73.55 255.43,73.55 J1.2
ROW_3: length 174.5
  Top w0.25: v1(256.33,65.34) 256.44,65.22 D46.1 255.52,59.2 238.32,59.2 D38.1 236.47,59.2 219.27,59.2 D30.1 217.42,59.2 200.22,59.2 D22.1 198.37,59.2 181.17,59.2 D14.1 179.32,59.2 162.12,59.2 D6.1 ; v1(281.37,60.07) 281.37,51.94 278.79,49.36 278.79,44.26 282.04,41.02 D54.1 ; v1(273.05,75.14) 273.85,75.94 273.85,78.09 272,79.94 268.38,79.94 263.75,75.3 263.75,72.82 J1.3
  Bottom w0.25: J1.3 256.33,65.39 v1(256.33,65.34) ; v1(281.37,60.07) 281.37,66.82 v1(273.05,75.14)
ROW_4: length 261.7
  Top w0.25: v1(139.65,76.54) 251.8,76.54 259.88,68.47 J1.4 ; v1(141.95,61.74) 141.95,60.32 ; D7.1 141.22,59.2 124.02,59.2 D15.1 122.17,59.2 104.97,59.2 D23.1 103.12,59.2 85.92,59.2 D31.1 84.07,59.2 66.87,59.2 D39.1 65.02,59.2 47.82,59.2 D47.1 45.97,59.2 28.77,59.2 D55.1
  Bottom w0.25: v1(141.95,61.74) 141.95,70.24 139.65,72.54 v1(139.65,76.54)
ROW_5: length 344.7
  Top w0.25: v1(35,51.73) 36.59,53.32 163.26,53.32 165.96,50.62 D9.1 166.88,40.15 184.08,40.15 D16.1 185.93,40.15 203.13,40.15 D24.1 204.98,40.15 222.18,40.15 D32.1 224.03,40.15 241.23,40.15 D40.1 243.08,40.15 258.5,40.15 D48.1 ; v1(259.45,42.14) 259.45,41.11 ; D2.1 v1(26.79,2.98)
  Bottom w0.25: J1.5 270.05,57.81 270.05,44.14 267.71,41.8 259.79,41.8 v1(259.45,42.14) ; v1(35,51.73) 13.1,29.82 13.1,27.38 26.79,13.69 v1(26.79,2.98)
ROW_6: length 345.7
  Top w0.25: v1(252.95,91.14) 116.65,91.14 115.87,90.36 v1(115.85,90.36) ; D10.1 145.98,40.15 128.78,40.15 D17.1 126.93,40.15 109.73,40.15 D25.1 107.88,40.15 90.68,40.15 D33.1 88.83,40.15 71.63,40.15 D41.1 69.78,40.15 52.58,40.15 D49.1 50.73,40.15 33.53,40.15 D56.1 ; v1(127.95,42.44) 127.95,41.17
  Bottom w0.25: v1(252.95,91.14) 251.76,89.95 251.76,77.98 254.45,75.29 254.45,66.18 257.25,63.39 J1.6 ; v1(127.95,42.44) 127.95,61.84 123.75,66.04 123.75,69.84 115.85,77.74 v1(115.85,90.36)
ROW_7: length 311
  Top w0.25: D11.1 156.43,19.65 D8.1 157.36,21.1 174.56,21.1 D18.1 176.41,21.1 182.28,21.1 ; v1(277.19,45.23) 284.42,37.99 D50.1 285.3,21.15 285.3,1.9 284.42,1.03 202.36,1.03 182.28,21.1 ; 182.28,21.1 193.61,21.1 D26.1 195.46,21.1 212.06,21.1 D34.1 213.91,21.1 231.71,21.1 D42.1
  Bottom w0.25: v1(277.19,45.23) 277.19,58.04 278.47,59.32 278.47,64.21 276.41,66.28 266.94,66.28 266.01,67.21 261.25,67.21 260.5,66.45 260.5,65.19 261.05,64.64 262.59,64.64 263.39,63.84 263.39,62.3 J1.7
ROW_8: length 258.3
  Top w0.25: J1.8 260.32,56.69 260.32,55.48 261.31,54.49 262.61,54.49 263.56,53.53 263.56,37.66 262.61,36.71 261.07,36.71 258.63,34.27 144.21,34.27 137.38,27.44 D19.1 136.46,21.1 119.26,21.1 D27.1 117.41,21.1 100.21,21.1 D35.1 98.36,21.1 81.16,21.1 D43.1 79.31,21.1 62.11,21.1 D51.1 60.26,21.1 43.06,21.1 D3.1
SELECT: length 51.3
  Bottom w0.25: SWSelect1.1 233.18,6.23 246.74,19.79 257.08,19.79 261.31,24.03 262.95,24.03 263.53,24.61 263.53,26.23 J1.20
START: length 69.9
  Bottom w0.25: SWStart1.1 208.64,6.23 222.65,20.24 256.89,20.24 J1.21
Net-(D1-A): length 7.5
  Top w0.25: D1.2 67.41,4.7 63.33,8.77
Net-(D2-A): length 283.5
  Top w0.25: v1(28.31,2.98) 26.59,4.7 19.78,4.7 ; 19.78,4.7 15.71,8.77 ; 19.78,4.7 D2.2
  Bottom w0.25: v1(28.31,2.98) 38.98,2.98 51.45,15.45 74.55,15.45 86.72,3.28 135.22,3.28 142.49,10.55 187.51,10.55 193.49,4.57 254.68,4.57 258.11,8 270.31,8 276.87,8 277.64,8.77
Net-(D3-A): length 245.8
  Top w0.25: SWRightSft1.2 253.83,32.11 252.13,33.82 159.9,33.82 157.2,31.12 157.2,24.72 153.13,20.65 40.21,20.65 D3.2 33.04,27.82 SWLeftSft1.2
Net-(D4-A): length 6.5
  Top w0.25: 146.67,84.97 148.37,83.28 D4.2
Net-(D5-A): length 6.5
  Top w0.25: D5.2 129.32,83.28 SW6.2
Net-(D6-A): length 6.5
  Top w0.25: SWU1.2 157.89,64.23 D6.2
Net-(D7-A): length 6.5
  Top w0.25: SWY1.2 138.84,64.23 D7.2
Net-(D8-A): length 6.5
  Top w0.25: SWN1.2 153.13,26.13 D8.2
Net-(D9-A): length 6.5
  Top w0.25: SWJ1.2 162.66,45.18 D9.2
Net-(D10-A): length 6.5
  Top w0.25: D10.2 143.61,45.18 SWH1.2
Net-(D11-A): length 6.5
  Top w0.25: D11.2 136.46,7.07 134.76,8.77
Net-(D12-A): length 6.5
  Top w0.25: D12.2 167.42,83.28 SW8.2
Net-(D13-A): length 6.5
  Top w0.25: D13.2 110.27,83.28 SW5.2
Net-(D14-A): length 6.5
  Top w0.25: SWI1.2 176.94,64.23 D14.2
Net-(D15-A): length 6.5
  Top w0.25: D15.2 119.79,64.23 SWT1.2
Net-(D16-A): length 6.5
  Top w0.25: D16.2 181.71,45.18 SWK1.2
Net-(D17-A): length 6.5
  Top w0.25: SWG1.2 124.56,45.18 D17.2
Net-(D18-A): length 6.5
  Top w0.25: D18.2 172.18,26.13 SWM1.2
Net-(D19-A): length 6.5
  Top w0.25: SWB1.2 134.08,26.13 D19.2
Net-(D20-A): length 6.5
  Top w0.25: D20.2 186.47,83.28 184.77,84.97
Net-(D21-A): length 6.5
  Top w0.25: D21.2 91.22,83.28 SW4.2
Net-(D22-A): length 6.5
  Top w0.25: SWO1.2 195.99,64.23 D22.2
Net-(D23-A): length 6.5
  Top w0.25: D23.2 100.74,64.23 SWR1.2
Net-(D24-A): length 6.5
  Top w0.25: SWL1.2 200.76,45.18 D24.2
Net-(D25-A): length 6.5
  Top w0.25: SWF1.2 105.51,45.18 D25.2
Net-(D26-A): length 6.5
  Top w0.25: SWComma1.2 191.23,26.13 D26.2
Net-(D27-A): length 6.5
  Top w0.25: SWV1.2 115.03,26.13 D27.2
Net-(D28-A): length 6.5
  Top w0.25: D28.2 205.52,83.28 SW0.2
Net-(D29-A): length 6.5
  Top w0.25: D29.2 72.17,83.28 SW3.2
Net-(D30-A): length 6.5
  Top w0.25: D30.2 215.04,64.23 SWP1.2
Net-(D31-A): length 6.5
  Top w0.25: D31.2 81.69,64.23 SWE1.2
Net-(D32-A): length 6.5
  Top w0.25: SWSemi1.2 219.81,45.18 D32.2
Net-(D33-A): length 6.5
  Top w0.25: SWD1.2 86.46,45.18 D33.2
Net-(D34-A): length 6.2
  Top w0.25: D34.2 209.69,26.72 SWPeriod1.2
Net-(D35-A): length 6.5
  Top w0.25: SWC1.2 95.98,26.13 D35.2
Net-(D36-A): length 6.5
  Top w0.25: D36.2 224.57,83.28 SWLT1.2
Net-(D37-A): length 6.5
  Top w0.25: D37.2 53.12,83.28 SW2.2
Net-(D38-A): length 6.5
  Top w0.25: D38.2 234.09,64.23 SWDash1.2
Net-(D39-A): length 6.5
  Top w0.25: D39.2 62.64,64.23 SWW1.2
Net-(D40-A): length 6.5
  Top w0.25: D40.2 238.86,45.18 SWPlus1.2
Net-(D41-A): length 6.5
  Top w0.25: D41.2 67.41,45.18 SWS1.2
Net-(D42-A): length 6.5
  Top w0.25: D42.2 229.33,26.13 SWSlash1.2
Net-(D43-A): length 6.5
  Top w0.25: D43.2 76.93,26.13 SWX1.2
Net-(D44-A): length 6.5
  Top w0.25: D44.2 243.62,83.28 SWGT1.2
Net-(D45-A): length 6.5
  Top w0.25: D45.2 34.07,83.28 SW1.2
Net-(D46-A): length 6.5
  Top w0.25: SWEqual1.2 253.14,64.23 D46.2
Net-(D47-A): length 6.5
  Top w0.25: D47.2 43.59,64.23 SWQ1.2
Net-(D48-A): length 5.7
  Top w0.25: SWStar1.2 256.21,41.17
Net-(D49-A): length 6.5
  Top w0.25: D49.2 48.36,45.18 SWA1.2
Net-(D50-A): length 6.2
  Top w0.25: SWInv1.2 281.12,26.72 D50.2
Net-(D51-A): length 6.5
  Top w0.25: SWZ1.2 57.88,26.13 D51.2
Net-(D52-A): length 14.2
  Top w0.25: SWDel1.2 269.69,84.17 262.38,84.17 260.34,82.13 D52.2
Net-(D53-A): length 6.5
  Top w0.25: D53.2 15.02,83.28 SWEsc1.2
Net-(D54-A): length 30
  Top w0.25: v1(275.83,46.7) 275.92,46.6 275.92,44.88 D54.2
  Bottom w0.25: v1(275.83,46.7) 270.5,52.03 270.5,61.15 271.7,62.35 276,62.35
Net-(D55-A): length 8.9
  Top w0.25: D55.2 23.88,60.13 SWTab1.2
Net-(D56-A): length 11.2
  Top w0.25: D56.2 23.51,46.87 SWCps1.2
Net-(R1-Pad1): length 1.9
  Top w0.25: R1.1 60.49,16.6
Net-(R2-Pad1): length 1.9
  Top w0.25: R2.1 12.87,16.6
Net-(R3-Pad1): length 1.9
  Top w0.25: R3.1 274.8,16.6
Net-(R4-Pad1): length 1.9
  Top w0.25: R4.1 22.39,35.65
Net-(R5-Pad1): length 1.9
  Top w0.25: R5.1 250.99,35.65
Net-(R6-Pad1): length 1.9
  Top w0.25: R6.1 143.84,92.8
Net-(R7-Pad1): length 1.9
  Top w0.25: R7.1 124.79,92.8
Net-(R8-Pad1): length 1.9
  Top w0.25: R8.1 153.36,73.75
Net-(R9-Pad1): length 1.9
  Top w0.25: R9.1 134.31,73.75
Net-(R10-Pad1): length 1.9
  Top w0.25: R10.1 148.6,35.65
Net-(R11-Pad1): length 1.9
  Top w0.25: R11.1 158.12,54.7
Net-(R12-Pad1): length 1.9
  Top w0.25: R12.1 139.07,54.7
Net-(R13-Pad1): length 1.8
  Top w0.25: R13.1 131.93,16.61
Net-(R14-Pad1): length 1.9
  Top w0.25: R14.1 162.89,92.8
Net-(R15-Pad1): length 1.9
  Top w0.25: R15.1 105.74,92.8
Net-(R16-Pad1): length 1.9
  Top w0.25: R16.1 172.41,73.75
Net-(R17-Pad1): length 1.9
  Top w0.25: R17.1 115.26,73.75
Net-(R18-Pad1): length 1.9
  Top w0.25: R18.1 177.17,54.7
Net-(R19-Pad1): length 1.9
  Top w0.25: R19.1 120.02,54.7
Net-(R20-Pad1): length 1.9
  Top w0.25: R20.1 167.65,35.65
Net-(R21-Pad1): length 1.9
  Top w0.25: R21.1 129.55,35.65
Net-(R22-Pad1): length 1.9
  Top w0.25: R22.1 181.94,92.8
Net-(R23-Pad1): length 1.9
  Top w0.25: R23.1 86.69,92.8
Net-(R24-Pad1): length 1.9
  Top w0.25: R24.1 191.46,73.75
Net-(R25-Pad1): length 1.9
  Top w0.25: R25.1 96.21,73.75
Net-(R26-Pad1): length 1.9
  Top w0.25: R26.1 196.22,54.7
Net-(R27-Pad1): length 1.9
  Top w0.25: R27.1 100.97,54.7
Net-(R28-Pad1): length 1.9
  Top w0.25: R28.1 186.7,35.65
Net-(R29-Pad1): length 1.9
  Top w0.25: R29.1 110.5,35.65
Net-(R30-Pad1): length 1.9
  Top w0.25: R30.1 200.99,92.8
Net-(R31-Pad1): length 1.9
  Top w0.25: R31.1 67.64,92.8
Net-(R32-Pad1): length 1.9
  Top w0.25: R32.1 210.51,73.75
Net-(R33-Pad1): length 1.9
  Top w0.25: R33.1 77.16,73.75
Net-(R34-Pad1): length 1.9
  Top w0.25: R34.1 215.27,54.7
Net-(R35-Pad1): length 1.9
  Top w0.25: R35.1 81.92,54.7
Net-(R36-Pad1): length 1.9
  Top w0.25: R36.1 205.75,35.65
Net-(R37-Pad1): length 1.9
  Top w0.25: R37.1 91.45,35.65
Net-(R38-Pad1): length 1.9
  Top w0.25: R38.1 220.04,92.8
Net-(R39-Pad1): length 1.9
  Top w0.25: R39.1 48.59,92.8
Net-(R40-Pad1): length 1.9
  Top w0.25: R40.1 229.56,73.75
Net-(R41-Pad1): length 1.9
  Top w0.25: R41.1 58.11,73.75
Net-(R42-Pad1): length 1.9
  Top w0.25: R42.1 234.32,54.7
Net-(R43-Pad1): length 1.9
  Top w0.25: R43.1 62.87,54.7
Net-(R44-Pad1): length 1.9
  Top w0.25: R44.1 224.8,35.65
Net-(R45-Pad1): length 1.9
  Top w0.25: R45.1 72.4,35.65
Net-(R46-Pad1): length 1.9
  Top w0.25: R46.1 239.09,92.8
Net-(R47-Pad1): length 1.9
  Top w0.25: R47.1 29.54,92.8
Net-(R48-Pad1): length 1.9
  Top w0.25: R48.1 248.61,73.75
Net-(R49-Pad1): length 1.9
  Top w0.25: R49.1 39.06,73.75
Net-(R50-Pad1): length 1.9
  Top w0.25: R50.1 253.37,54.7
Net-(R51-Pad1): length 1.9
  Top w0.25: R51.1 43.82,54.7
Net-(R52-Pad1): length 1.9
  Top w0.25: R52.1 277.19,35.65
Net-(R53-Pad1): length 1.9
  Top w0.25: R53.1 53.35,35.65
Net-(R54-Pad1): length 1.9
  Top w0.25: R54.1 267.66,92.8
Net-(R55-Pad1): length 1.9
  Top w0.25: R55.1 10.49,92.8
Net-(R56-Pad1): length 18.2
  Top w0.25: SWRet1.3 270.04,60.97 R56.1
Net-(R57-Pad1): length 1.9
  Top w0.25: R57.1 15.25,73.75
Net-(R58-Pad1): length 1.9
  Top w0.25: R58.1 17.63,54.7
Net-(R61-Pad1): length 1.9
  Top w0.25: R61.1 203.37,16.6
Net-(R62-Pad1): length 1.9
  Top w0.25: R62.1 227.18,16.6
Net-(R63-Pad1): length 1.9
  Top w0.25: R63.1 250.99,16.6
Net-(R64-Pad1): length 1.9
  Top w0.25: R64.1 36.68,16.6

## Copper pours and planes (outline as drawn; the poured copper is in the pictures)
LED_GND on Top, Bottom: 0,97.04 285.75,97.04 285.71,-0.06 -0.04,-0.06

## Text on the board
B.Silkscreen: C7 | C8 | R1 | R2 | R3 | R4 | R5 | R6 | R7 | R8 | C9 | C1 | C2 | C3 | C4 | C5 | C6 | 5V | Option | Select | Start | Reset | GND | (R5,C9) | (R8,C9) | (R1,C9) | (R7,C2) | x | (R3,C8) | LED / GND | Decent 400 rev. 2 © Bertrand Le Roy 2023 github.com/bleroy/3d-junkyard/tree/main/Decent400 / atariage.com/forums/profile/76850-screamingattheradio/ twitch.tv/screamingattheradio youtube.com/@ScreamingAtTheRadio | Set | _ | \ | | | ^ | Return | Caps | Space | Del | Break | ATARI | Control | Esc | Clr | Shift | ! | Q | A | {dblquote} | Z | W | S | # | X | E | D | $ | C | R | F | % | V | T | G | & | B | Y | H | N | U | J | M | I | K | ( | [ | O | L | ) | ] | P | : | Clear | ? | Insert | 1 | 2 | 3 | 4 | 5 | 6 | 7 | 8 | 9 | 0 | Tab | , | . | ; | / | - | + | = | ' | @ | < | > | *
F.Silkscreen: Backlight | Decent 400 rev. 2 © Bertrand Le Roy 2023 / github.com/bleroy/3d-junkyard/tree/main/Decent400 / atariage.com/forums/profile/76850-screamingattheradio/ / twitch.tv/screamingattheradio / youtube.com/@ScreamingAtTheRadio | Clr | Shift | Esc | ! | Q | A | {dblquote} | Z | W | S | # | X | E | D | $ | C | R | F | % | V | T | G | & | B | Y | H | N | U | J | M | I | K | ( | [ | O | L | ) | ] | P | : | Clear | ? | Insert | ATARI | Caps | Control | 1 | Reset | 2 | Break | 3 | 4 | 5 | 6 | Space | 7 | 8 | 9 | 0 | Start | Select | Option | Del | Tab | , | . | ; | / | - | + | = | Set | _ | \ | | | Return | ' | @ | < | > | * | ^
